# KiCad board Jumperless2.kicad_pcb (continued)
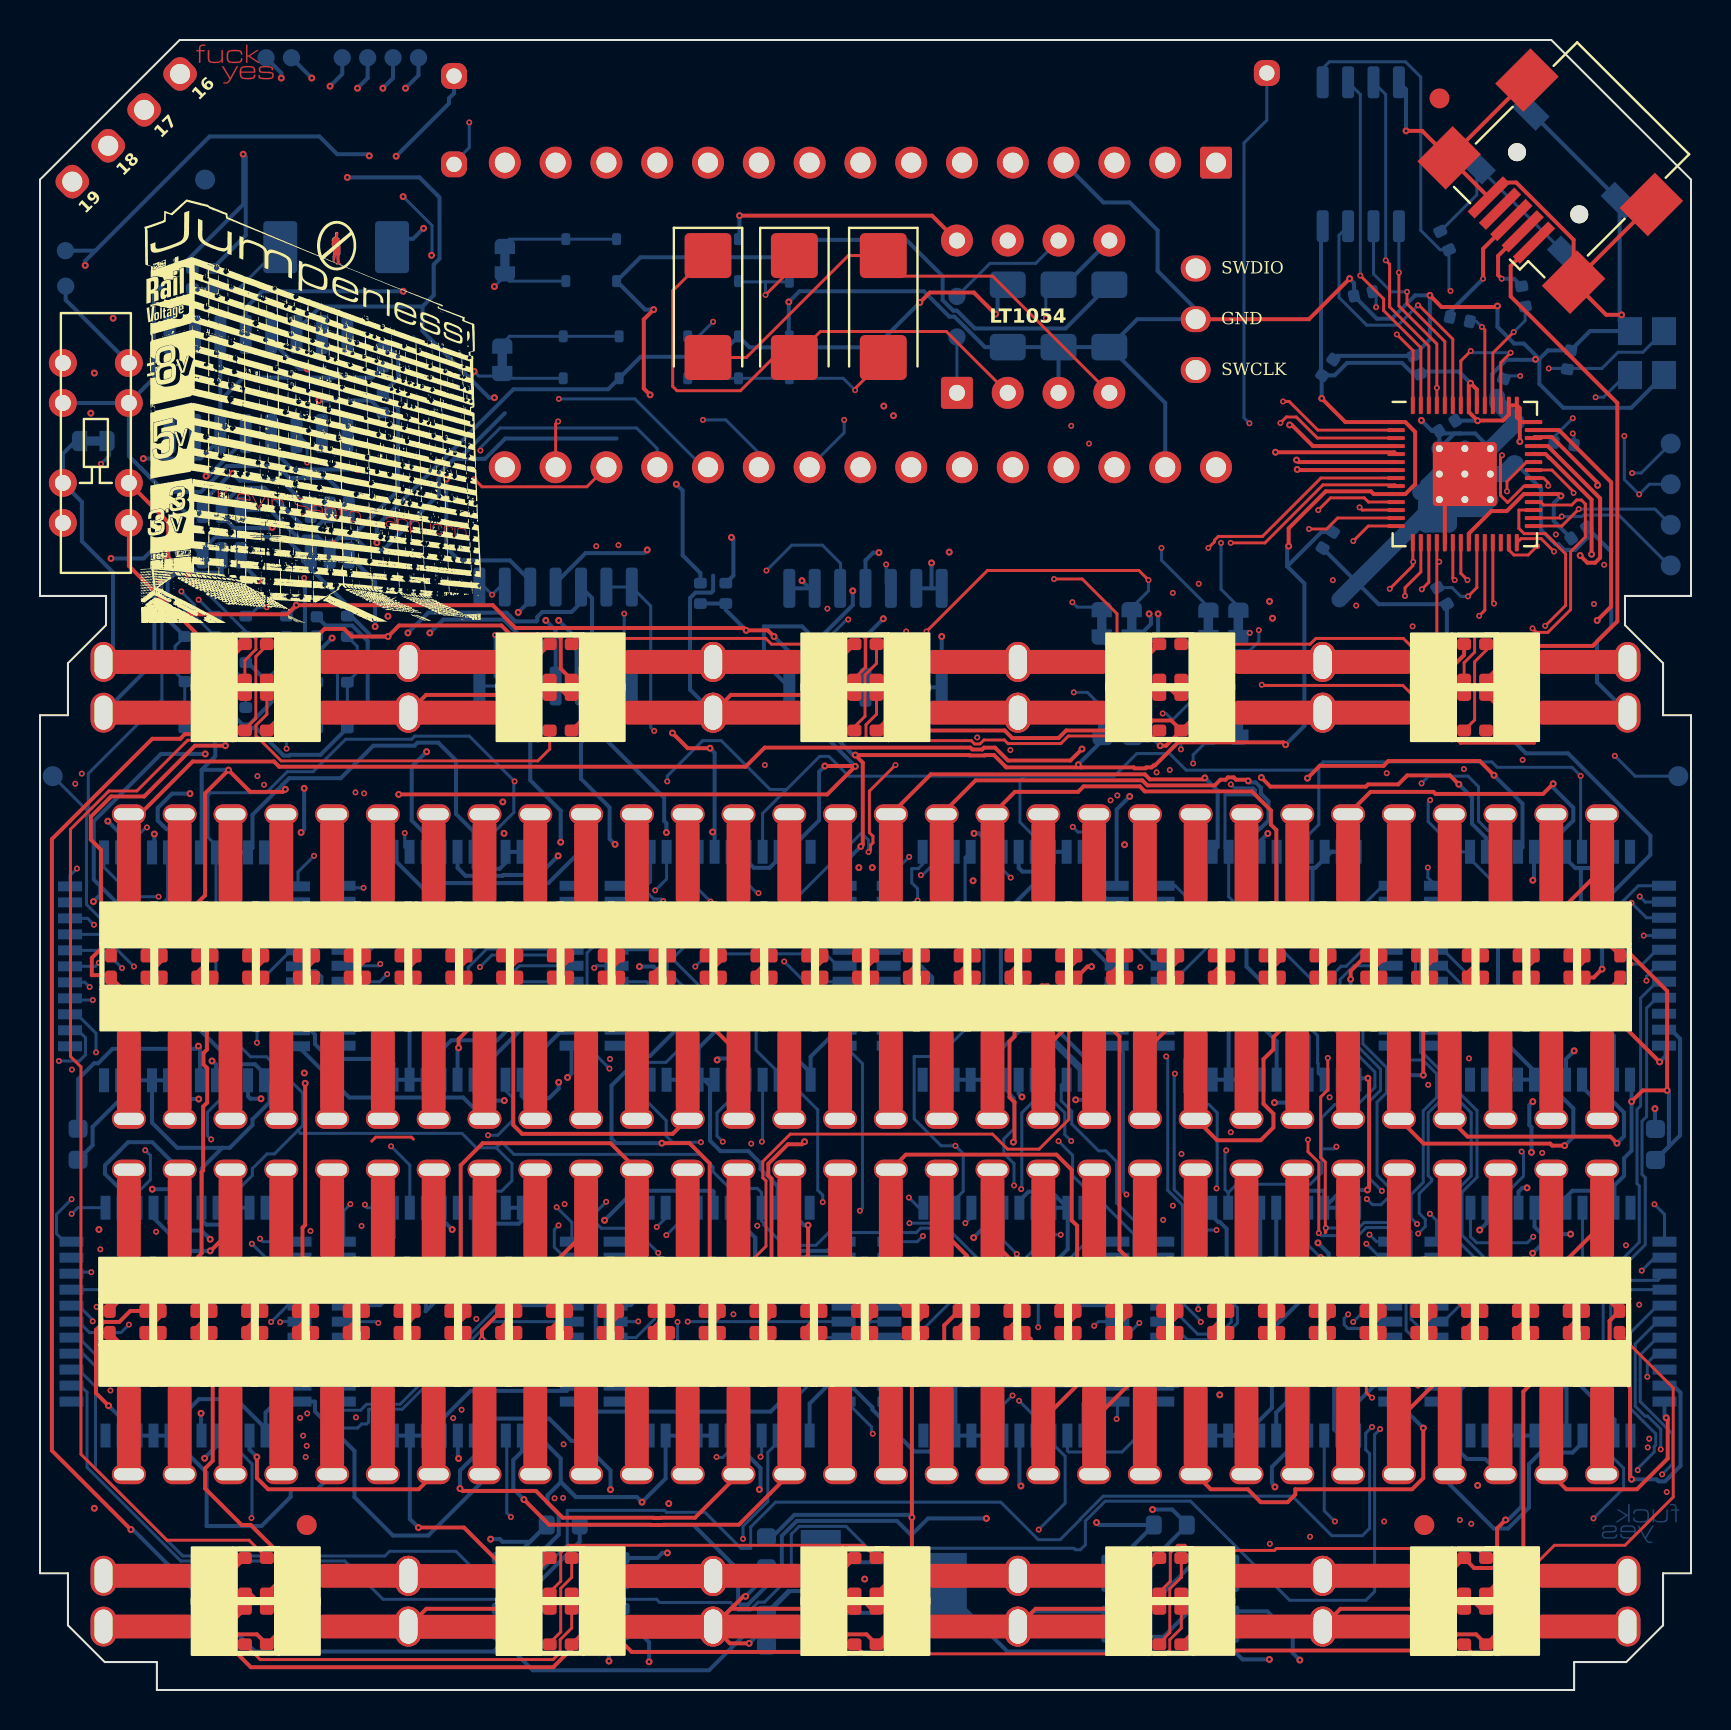
[diagram p0: board, top side]
## Routing (per net, layer and track width the routed paths; a pad name or vN(x,y) marks a point on that pad's centre or on a via; arc(x,y) is an arc through that point) (continued)
  Top w0.2: J4.29 75.56,32.54 77.05,34.03 77.16,34.03 77.29,33.9 78.5,33.9 v2(80.98,31.42)
  In2.Cu w0.2: J4.29 J4.29
  Bottom w0.2: v2(80.98,31.42) 81.28,31.72 81.28,32.16
30: length 49.2
  Top w0.2: v2(51.58,38.14) 52.25,38.81 57.65,38.81 57.89,38.58 58.09,38.58 58.24,38.74 60.38,38.74 60.8,38.31 62.53,38.31 63.06,38.84 65.21,38.84 65.42,38.63 75.66,38.63 78.11,41.07 J4.30
  In2.Cu w0.2: J4.30 78.54,43.38 78.54,38.44 78.76,38.22 78.76,30.24 78.48,29.96 78.48,28.95
  Bottom w0.2: 53.49,36.23 51.58,38.14 v2(51.58,38.14)
32: length 79.9
  In1.Cu w0.2: v2(51.78,29.53) 50.92,30.4 35.75,30.4 34.16,31.98 33.71,31.98 32.47,30.75 29.29,30.75 29.21,30.67 27.61,30.67 26.86,31.42 26.06,31.42 26.03,31.39 9.77,31.39 8.53,32.64 7.74,32.64 5.88,30.78 5.88,28.26 4.45,26.82 J4.33
  In2.Cu w0.2: J4.33 4.45,25.62 5.32,24.74 5.32,11.67 J4.33
  Bottom w0.2: v2(51.78,29.53) 52.48,29.53 52.64,29.69 52.64,31.24 50.63,33.26 50.63,33.99 50.93,34.29 52.34,34.29 53.48,35.43
33: length 22.5
  In2.Cu w0.2: J4.34 J4.34
  Bottom w0.2: E1.35 4.08,24.99 3.25,25.82 3.25,26.25 4.41,27.41 5.61,27.41 J4.34
34: length 23.8
  Top w0.2: J4.35 9.52,22.97 8.53,21.97 v2(8.51,21.97)
  In2.Cu w0.2: J4.35 J4.35
  Bottom w0.2: E1.37 5.68,23.62 7.33,21.97 v2(8.51,21.97)
35: length 27
  In1.Cu w0.2: J4.36 11.31,25.28 5.84,25.28 v2(5.61,25.05)
  In2.Cu w0.2: J4.36 13.06,10.79 14.47,12.21 14.47,14.2 14.18,14.48 14.18,20.05 12.06,22.17 J4.36
  Bottom w0.2: E1.39 7.28,24.66 6.89,25.05 v2(5.61,25.05)
36: length 28.1
  In2.Cu w0.2: 14.53,25.96 14.53,21.05 15.01,20.57 15.01,11.2 J4.37
  Bottom w0.2: J4.37 13.86,10.04 12.53,10.04 12.53,9.66 11.07,8.2 8.33,8.2 8.33,10.88 7.28,11.93 E1.17
37: length 27.8
  In2.Cu w0.2: v2(8.23,11.59) 8.23,10.18 9.02,9.4 15.75,9.4 J4.38 17.62,11.27 17.62,18.12 17.6,18.14 17.6,20.19 17.64,20.23 17.64,25.54 J4.38
  Bottom w0.2: 8.88,12.26 8.26,11.64 8.26,11.63 v2(8.23,11.59)
38: length 26.5
  Top w0.2: v2(10.85,11.66) 10.85,10.6 11.4,10.04 18.94,10.04 J4.39
  In2.Cu w0.2: 19.86,10.97 19.86,25.86
  Bottom w0.2: v2(10.85,11.66) 10.48,12.03 E1.13
39: length 30.7
  In2.Cu w0.2: J4.40 22.23,16.59 23.03,17.4 23.03,20.1 22.79,20.34 22.79,22.3 22.23,22.86 J4.40
  Bottom w0.2: 22.23,10.54 19.41,7.73 17.65,7.73 15.72,9.65 15.72,11.96 13.75,13.94 13.75,14.43 E1.11
40: length 33.5
  Top w0.2: v2(16.99,20.9) 17.77,20.9 17.91,21.04 17.97,21.04 18.44,21.51 18.92,21.51 19.35,21.09 19.45,21.09 19.67,20.87 19.67,20.76 19.81,20.63 19.97,20.63 20.12,20.48 20.55,20.48 21.37,21.3 21.6,21.3 21.63,21.34 22.65,21.34 22.69,21.3 23.4,21.3 23.43,21.34 23.97,21.34 24,21.3 24.33,21.3 24.77,21.74 J4.41
  In2.Cu w0.2: J4.41 24.34,25.61 24.34,17.41 23.37,16.44 23.37,12.19 J4.41
  Bottom w0.2: v2(16.99,20.9) 16.79,21.11 16.79,21.74 17.69,22.64 F5.35
41: length 31.3
  Top w0.2: v2(19.3,20.71) 19.73,20.28 19.82,20.28 19.92,20.18 20.74,20.18 21.51,20.95 21.67,20.95 21.75,21.04 22.04,21.04 22.12,20.95 22.16,20.95 22.24,21.04 22.53,21.04 22.61,20.95 23.47,20.95 23.55,21.04 23.84,21.04 23.93,20.95 25.31,20.95 27.3,22.95 J4.42
  In2.Cu w0.2: J4.42 J4.42
  Bottom w0.2: F5.37 19.29,20.72 v2(19.3,20.71)
42: length 35
  Top w0.2: J4.43 28.52,27.36 22.14,27.36 21.03,26.25 21.03,21.57 v2(20.34,20.88)
  In2.Cu w0.2: J4.43 29.84,14.2 31.14,15.49 31.14,16.31 30.9,16.55 30.9,16.63 30.68,16.85 30.6,16.85 29.47,17.97 29.47,25.66
  Bottom w0.2: 21.03,23.99 21.03,21.57 v2(20.34,20.88)
43: length 32.5
  In2.Cu w0.2: J4.44 32.99,25.43 32.99,11.4 J4.44 32.39,9.65 31.55,8.82 26.55,8.82 26.37,9 26.2,9 26.14,9.06 21.39,9.06 20.57,9.88 20.57,10.27 20.93,10.63 v2(20.93,11.58)
  Bottom w0.2: F5.17 20.89,11.62 v2(20.93,11.58)
44: length 34.2
  Top w0.2: v2(21,10.08) 21.12,9.96 24.8,9.96 26.14,8.62 30.67,8.62 30.69,8.61 31.04,8.61 31.05,8.62 32.75,8.62 J4.45
  In2.Cu w0.2: J4.45 34.92,19.04 35.02,18.94 35.02,10.89
  Bottom w0.2: F5.15 22.49,11.93 22.44,11.88 21.9,11.88 21,10.98 v2(21,10.08)
45: length 33.6
  Top w0.2: v2(24.2,9.53) 25.46,8.27 30.53,8.27 30.54,8.26 31.18,8.26 31.19,8.27 34.94,8.27 J4.46
  In2.Cu w0.2: 37.5,26 37.5,10.83
  Bottom w0.2: F5.13 24.09,11.93 23.66,11.5 23.66,10.06 v2(24.2,9.53)
46: length 34.2
  Top w0.2: J4.47 40,14.78 v2(38.69,16.09)
  In2.Cu w0.2: 40.03,10.82 40.03,26.01
  Bottom w0.2: v2(38.69,16.09) 36.53,13.93 27.09,13.93 F5.11
47: length 40.6
  Top w0.2: J4.48 43.3,26.78 50.83,26.78 51.59,26.02 51.59,23.49 51.86,23.23 51.86,21.6 52.17,21.29 54.22,21.29 54.8,20.7 59.26,20.7 v2(59.33,20.78)
  In2.Cu w0.2: J4.48 42.55,19.09 42.53,19.11 42.53,20.39 42.55,20.41 J4.48
  Bottom w0.2: 58.61,23.72 58.92,23.41 58.99,23.41 59.33,23.07 v2(59.33,20.78)
48: length 41.5
  Top w0.2: J4.49 45.09,22.99 46.34,21.73 46.25,21.64 v2(46.25,21.51)
  In1.Cu w0.2: v2(46.25,21.51) 46.28,21.54 48.55,21.54 48.85,21.23 51.08,21.23 52.26,20.05 60.06,20.05 v2(60.5,20.49)
  In2.Cu w0.2: J4.49 45.09,21.57 43.79,20.27 42.88,20.27 42.88,19.25 43.13,19 43.13,12.75 J4.49
  Bottom w0.2: G1.37 60.21,20.78 v2(60.5,20.49)
49: length 38.7
  Top w0.2: J4.50 47.62,22.45 48.69,21.38 51.43,21.38 52.46,20.35 59.52,20.35 60.09,20.92 61.36,20.92 61.9,20.38 61.98,20.38 v2(62.05,20.3)
  In2.Cu w0.2: J4.50 J4.50
  Bottom w0.2: G1.39 61.81,21.14 61.65,20.98 61.65,20.63 61.9,20.38 61.98,20.38 v2(62.05,20.3)
50: length 35.5
  Top w0.2: J4.51 50.17,13.55 53.13,16.51 58.12,16.51 58.47,16.16 58.78,16.16 59,16.38 59,16.41 59.24,16.65 60.14,16.65 60.25,16.55 62.04,16.55 v2(62.33,16.26)
  In2.Cu w0.2: 50.26,10.89 50.26,25.94
  Bottom w0.2: v2(62.33,16.26) 62.33,14.4 61.81,13.88 G1.17
51: length 33.3
  Top w0.2: v2(63.57,15.83) 62.16,15.83 61.95,16.03 60.27,16.03 59.95,16.35 59.43,16.35 58.94,15.86 58.34,15.86 58.22,15.99 56.64,15.99 56.1,15.44 54.61,15.44 52.7,13.54 J4.52
  In2.Cu w0.2: 52.98,25.76 52.98,18.88 52.67,18.57 52.56,18.57 52.36,18.36 52.36,18.07 52.43,18 52.43,11.07
  Bottom w0.2: v2(63.57,15.83) 63.41,15.68 G1.15
52: length 36.8
  Top w0.2: 55.25,14.12 J4.53
  In1.Cu w0.2: v2(58.99,14.77) 59,14.76 63.55,14.76 64.3,15.5 v2(64.7,15.5)
  In2.Cu w0.2: 55.47,25.81 55.47,17.35 54.23,16.1 54.23,11.81 J4.53 56,10.04 58.51,10.04 59.08,10.62 59.08,14.67 v2(58.99,14.77)
  Bottom w0.2: v2(64.7,15.5) 64.7,13.04 G1.13
53: length 33.1
  Top w0.2: v2(69.16,13.11) 69.16,10.6 68.61,10.04 62.76,10.04 62.76,9.78 62.38,9.4 61.04,9.4 60.39,10.04 58.53,10.04 J4.54
  In2.Cu w0.2: 58.04,25.78 57.56,25.3 57.56,16.78 58.79,15.56 57.78,14.55 J4.54
  Bottom w0.2: v2(69.16,13.11) 67.84,14.43
54: length 30.6
  In1.Cu w0.2: J4.55 61.87,24.49 65.3,24.49 65.76,24.04 67.29,24.04 67.33,24 67.62,24 68.33,24.71 70.28,24.71 v2(71.98,23.01)
  In2.Cu w0.2: J4.55 60.33,19.8 60.6,20.07 60.68,20.07 60.93,20.32 60.93,20.4 60.95,20.42 60.95,25.41 J4.55
  Bottom w0.2: H1.35 72.32,23.35 v2(71.98,23.01)
55: length 28.4
  In1.Cu w0.2: 63.53,26.03 64.28,26.78 71.49,26.78 71.92,26.35 71.92,25.66 72.46,25.12 v2(74.35,25.12)
  In2.Cu w0.2: 62.78,10.88 62.78,19.12 62.5,19.4 62.5,20.62 62.5,20.63 62.5,20.98 62.5,20.98 62.5,25.67
  Bottom w0.2: H1.37 73.92,24.93 74.12,25.12 v2(74.35,25.12)
56: length 30.8
  In1.Cu w0.2: v2(76.53,22.81) 76.12,22.81 74.3,24.63 72.46,24.63 71.83,25.27 67.32,25.27 67.22,25.37 66.55,25.37 66.53,25.39 66.22,25.39 66.19,25.37 66.16,25.37 66.16,25.37 66.07,25.37 J4.57
  In2.Cu w0.2: J4.57 64.69,25.32 64.69,24.19 64.71,24.16 64.71,20.95 64.32,20.55 64.32,17.61 64.31,17.6 64.31,17.55 64.14,17.38 64.14,16.38 64.32,16.2 64.32,11.88 J4.57
  Bottom w0.2: v2(76.53,22.81) 76.05,22.81 75.52,23.33 H1.39
57: length 31.5
  Top w0.2: J4.58 67.95,13.54 70.5,16.09 74.56,16.09 74.75,15.9 ; 74.75,15.9 74.88,16.03 ; 74.75,15.9 74.78,15.87 v2(74.93,15.87)
  In2.Cu w0.2: J4.58 69.95,24.03 69.95,21 70.15,20.8 70.15,13 J4.58
  Bottom w0.2: H1.17 75.52,15.27 v2(74.93,15.87)
58: length 27.4
  In2.Cu w0.2: J4.59 71.28,11.59 71.28,14.28 71.75,14.76 71.75,20.43 71.25,20.93 71.25,21.04 70.9,21.39 70.9,24.63 70.48,25.05 J4.59
  Bottom w0.2: J4.59 70.48,10.29 72.69,8.08 73.4,8.08 74.45,9.13 74.45,11.3 75.02,11.88 76.62,11.88 77.12,12.38
59: length 32.2
  In2.Cu w0.2: J4.60 73.03,21.67 73.88,20.81 73.88,15.37 73.81,15.29 73.81,12.58 73.03,11.8 J4.60
  Bottom w0.2: J4.60 72.26,11.56 71.35,11.56 71.02,11.88 71.02,15.02 72.92,16.91 75.35,16.91 78.72,13.53 H1.13
60: length 26.3
  Top w0.2: J4.61 76.31,10.04 79.85,10.04 81.39,11.58 81.39,13.55 v2(81.31,13.62)
  In2.Cu w0.2: J4.61 75.56,21.52 74.81,22.28 74.34,22.28 74.26,22.36 74.26,23.06 75.56,24.36 J4.61
  Bottom w0.2: v2(81.31,13.62) 81.22,13.71 H1.11
61: length 57.9
  Top w0.2: v2(52.75,33.9) 52.77,33.9 53.97,32.69 53.97,22.02 54.73,21.27 69.01,21.27 69.63,20.65 71.81,20.65 72.34,21.18 74.98,21.18 75.49,20.68 78.11,23.29 J4.62
  In2.Cu w0.2: J4.62 78.11,15.95 77.76,16.3 77.76,19.61 78.11,19.96 J4.62
  Bottom w0.2: 53.48,34.63 v2(52.75,33.9)
/AB0: length 17.4
  In1.Cu w0.15: v1(16.33,38.2) 14.96,36.83 4.81,36.83 v1(4.1,36.12)
  Bottom w0.15: B1.31 15.9,38.63 v1(16.33,38.2) ; A2.29 3.22,37.01 v1(4.1,36.12)
/AB1: length 15.1
  In1.Cu w0.15: v1(14.12,38.11) 13.91,37.9 3.63,37.9 2.84,37.11 2.84,36.48 v1(2.94,36.38)
  Bottom w0.15: B1.30 14.4,37.83 v1(14.12,38.11) ; v1(2.94,36.38) 2.77,36.21 A2.28
/AC0: length 77.3
  In1.Cu w0.15: v1(2.09,45.85) 2.71,46.47 15.92,46.47 16.04,46.59 22.99,46.59 23.18,46.78 33.34,46.78 34.27,45.86 55.32,45.86 55.69,46.23 55.96,46.23 55.99,46.2 56.32,46.2 v1(56.49,46.03)
  In2.Cu w0.15: v1(2.09,45.85) 2.09,44.66 1.77,44.35 1.77,41.48 1.52,41.23 1.52,36.13 v1(2.48,35.17) ; v1(56.49,46.03) 56.62,45.9 56.62,39.28 v1(57.49,38.41)
  Bottom w0.15: v1(57.49,38.41) 57.26,38.64 C26.31 ; v1(2.48,35.17) 2.25,35.41 A2.27
/AC1: length 77.5
  In1.Cu w0.15: v1(55.83,45.91) 55.53,45.61 34.16,45.61 33.24,46.53 23.28,46.53 23.09,46.34 16.15,46.34 16.01,46.2 10.64,46.2 9.76,45.32 1.78,45.32 v1(1.76,45.34)
  In2.Cu w0.15: v1(1.76,45.34) 0.98,44.56 0.98,40.94 1.14,40.79 1.14,36.02 v1(2.64,34.52) ; v1(55.83,45.91) 56.32,45.42 56.32,39.02 v1(57.23,38.11)
  Bottom w0.15: C26.30 56.95,37.84 v1(57.23,38.11) ; v1(2.64,34.52) 1.59,34.52
/AD0: length 80.1
  In1.Cu w0.15: v1(10.87,45.72) 11.1,45.95 16.11,45.95 16.25,46.09 23.2,46.09 23.39,46.28 31.7,46.28 32.63,45.36 57.47,45.36 58.83,46.72 70.55,46.72 v1(71.2,46.08)
  In2.Cu w0.15: v1(10.57,38.66) 10.6,38.69 10.6,45.52 10.74,45.67 10.82,45.67 v1(10.87,45.72) ; v1(70.88,39.05) 71.68,39.84 71.68,45.59 v1(71.2,46.08)
  Bottom w0.15: 12.55,38.61 12.15,39.01 10.91,39.01 v1(10.57,38.66) ; D70.31 70.47,38.64 v1(70.88,39.05)
/AD1: length 75.7
  In1.Cu w0.15: v1(67.33,45.87) 66.2,44.73 56.62,44.73 56.24,45.11 32.52,45.11 31.6,46.03 23.49,46.03 23.3,45.84 16.36,45.84 16.22,45.7 11.62,45.7 v1(11.2,45.29)
  In2.Cu w0.15: v1(67.33,45.87) 67.33,45.82 69.02,44.14 69.02,41.7 68.63,41.31 v1(68.63,39.12) ; v1(11.15,38.48) 10.99,38.64 10.99,45.08 v1(11.2,45.29)
  Bottom w0.15: v1(11.15,38.48) 11.83,37.81 A2.4 ; 69.45,37.84 68.63,38.66 v1(68.63,39.12)
/AE0: length 25.7
  In1.Cu w0.15: v1(1.59,31.04) 1.59,31.2 4.48,34.09 9.22,34.09 v1(9.54,33.77)
  In2.Cu w0.15: v1(1.59,31.04) 1.26,30.7 1.26,23.69 1.29,23.65 1.29,22.18 v1(2.57,20.9)
  Bottom w0.15: v1(9.54,33.77) 9.54,33.99 12.55,37.01 ; v1(2.57,20.9) 1.65,20.9
/AF0: length 17.4
  In2.Cu w0.15: v1(11.43,34.06) 12.09,33.4 12.09,30.66 13.14,29.61 13.14,25.73 12.93,25.52 12.93,22.09 v1(14.16,20.86)
  Bottom w0.15: F5.31 14.19,20.83 v1(14.16,20.86) ; v1(11.43,34.06) 11.43,34.28 12.55,35.41
/AF1: length 21.5
  In1.Cu w0.15: v1(16.01,20.39) 15.94,20.31 11.26,20.31 v1(11.05,20.52)
  In2.Cu w0.15: v1(10.85,32.38) 10.85,30.38 11.45,29.78 11.45,29.35 10.85,28.75 10.85,25.48 10.15,24.78 10.15,21.78 10.77,21.16 10.77,20.8 v1(11.05,20.52)
  Bottom w0.15: 12.55,34.61 10.85,32.9 v1(10.85,32.38) ; 15.66,20.03 v1(16.01,20.39)
/AG0: length 72.9
  In1.Cu w0.15: v1(3.45,20.55) 4.74,20.55 5.37,19.92 38.23,19.92 38.95,20.64 41.82,20.64 43.63,18.83 48.17,18.83 48.53,19.19 57.78,19.19 v1(57.91,19.05)
  In2.Cu w0.15: v1(3.45,20.55) 2.29,21.72 2.29,24.33 2.06,24.55 2.06,31.16 v1(2.8,31.9)
  Bottom w0.15: 56.46,20.83 57.91,19.38 v1(57.91,19.05) ; v1(2.8,31.9) 2.8,32.86 1.85,33.81
/AG1: length 75
  In1.Cu w0.15: v1(2.83,19.17) 37.83,19.17 39.05,20.39 41.71,20.39 43.53,18.58 48.27,18.58 48.63,18.94 57.52,18.94 v1(58.04,18.41)
  In2.Cu w0.15: v1(2.83,19.17) 1.01,20.99 1.01,31.41 v1(0.95,31.47)
  Bottom w0.15: v1(0.95,31.47) 1.97,31.47 2.28,31.78 2.28,32.63 1.9,33.01 ; v1(58.04,18.41) 58.04,18.45 56.46,20.03
/AH0: length 78.9
  In1.Cu w0.15: v1(17.2,21.33) 17.4,21.53 18.08,21.53 18.08,21.53 27.33,21.53 27.46,21.66 27.93,21.66 28.06,21.53 31.39,21.53 32.32,22.46 33.27,22.46 33.46,22.65 40.6,22.65 40.61,22.64 42.64,22.64 42.94,22.34 44.46,22.34 44.58,22.22 48.23,22.22 48.46,22.45 53.33,22.45 53.63,22.75 55.11,22.75 56.12,21.73 57.3,21.73 57.35,21.78 63.2,21.78 63.93,21.05 68.45,21.05 68.72,20.78 v1(68.94,20.78)
  In2.Cu w0.15: v1(17.2,21.33) 14.86,23.67 14.86,24.51 15.68,25.33 15.68,38.68 13.7,40.66 v1(13.7,41.73)
  Bottom w0.15: v1(13.7,41.73) 12.9,40.93 A2.1 ; H1.31 68.99,20.83 v1(68.94,20.78)
/AH1: length 83.8
  In1.Cu w0.15: v1(68.92,20.23) 68.35,20.8 63.83,20.8 63.1,21.53 57.45,21.53 57.4,21.48 56.02,21.48 55.34,22.17 48.67,22.17 48.47,21.97 44.48,21.97 44.35,22.09 42.84,22.09 42.54,22.39 40.51,22.39 40.5,22.4 33.56,22.4 33.37,22.21 32.45,22.21 31.52,21.28 27.96,21.28 27.83,21.41 27.56,21.41 27.43,21.28 18.19,21.28 17.37,20.47 16.56,20.47 15.72,21.31 10.72,21.31 v1(10.41,21.01)
  In2.Cu w0.15: v1(9.88,38.6) 9.92,38.55 9.92,30.26 10.22,29.97 10.22,29.89 10.6,29.51 10.6,25.73 9.85,24.98 9.85,21.57 v1(10.41,21.01)
  Bottom w0.15: H1.30 69.12,20.03 v1(68.92,20.23) ; v1(9.88,38.6) 10.69,39.41 A2.2
/BC0: length 60.5
  In1.Cu w0.15: v1(15.77,44.91) 16.46,45.59 23.4,45.59 23.59,45.78 31.5,45.78 32.42,44.86 53.76,44.86 v1(53.87,44.75)
  In2.Cu w0.15: v1(53.87,44.75) 54.15,44.47 54.15,44.13 54.17,44.12 54.17,43.51 53.34,42.68 53.34,40.76 53.95,40.15 53.95,39.51 55.15,38.32 v1(55.15,38.18) ; v1(15.77,44.91) 15.77,41.17 15.35,40.74 15.35,39.7 17.36,37.68 v1(17.36,35.81)
  Bottom w0.15: 55.78,37.04 55.15,37.67 v1(55.15,38.18) ; B1.27 16.98,35.43 v1(17.36,35.81)
/BC1: length 61.4
  In1.Cu w0.15: v1(53.53,44.51) 23.77,44.51 23.09,45.19 16.54,45.19 v1(16.21,44.86)
  In2.Cu w0.15: v1(54.76,38.1) 53.09,39.77 53.09,42.79 53.87,43.57 53.87,44.16 v1(53.53,44.51) ; v1(16.87,34.38) 17.83,35.35 17.83,37.57 15.67,39.73 15.67,40.64 16.07,41.04 16.07,44.72 v1(16.21,44.86)
  Bottom w0.15: v1(54.76,38.1) 54.76,37.26 55.78,36.24 ; v1(16.87,34.38) 16.61,34.63 B1.26
/BD0: length 66.3
  In1.Cu w0.15: v1(21.26,33.93) 22.54,32.65 24.66,32.65 24.68,32.68 30.28,32.68 30.56,32.4 31.88,32.4 32.25,32.77 32.25,32.77 33.06,33.59 34.78,33.59 35.9,32.46 55.76,32.46 55.8,32.42 71.2,32.42 v1(72.55,33.77)
  Bottom w0.15: v1(21.26,33.93) 21.11,34.08 21.11,36.43 22.01,37.33 24.92,37.33 26.23,38.63 ; 70.15,37.04 72.55,34.64 v1(72.55,33.77)
/BD1: length 63.4
  In1.Cu w0.15: v1(21.79,34.04) 22.92,32.9 24.56,32.9 24.58,32.93 30.39,32.93 30.66,32.65 31.78,32.65 32,32.87 32,32.88 32.96,33.84 35,33.84 36.12,32.71 55.86,32.71 55.9,32.67 70.98,32.67 v1(72.16,33.84)
  Bottom w0.15: 70.15,36.24 72.16,34.23 v1(72.16,33.84) ; 26.23,37.83 25.46,37.07 22.33,37.07 21.41,36.15 21.41,34.42 v1(21.79,34.04)
/BE0: length 44.5
  In1.Cu w0.15: v1(20.42,17.17) 20.4,17.14 3.94,17.14 v1(2.63,18.45)
  In2.Cu w0.15: v1(20.42,17.17) 21.01,17.76 21.01,23.28 20.9,23.39 20.9,31.51 21.33,31.94 21.33,32.3 20.9,32.73 20.9,35.07 v1(22,36.17)
  Bottom w0.15: 1.93,19.23 2.63,18.52 v1(2.63,18.45) ; v1(22,36.17) 22.6,36.77 26.32,36.77 B1.5
/BE1: length 42.6
  In1.Cu w0.15: v1(4.45,18.28) 4.92,17.81 21.06,17.81 v1(21.82,18.57)
  In2.Cu w0.15: v1(22.07,34.33) 22.17,34.22 22.17,29.9 21.15,28.88 21.15,23.56 21.52,23.19 21.52,18.87 v1(21.82,18.57)
  Bottom w0.15: B1.6 23.97,36.23 v1(22.07,34.33) ; 1.93,18.43 2.48,17.88 4.05,17.88 v1(4.45,18.28)
/BF0: length 26.9
  In2.Cu w0.15: v1(18.88,34.38) 18.88,29.56 18.22,28.91 18.22,25.7 17.96,25.44 17.96,20.57 18.15,20.39 v1(18.18,20.39)
  Bottom w0.15: B1.7 23.72,35.43 21.66,33.38 19.88,33.38 v1(18.88,34.38) ; v1(18.18,20.39) 17.02,19.23 F5.29
/BG0: length 61.7
  In1.Cu w0.15: v1(56.31,31.7) 55.84,32.17 55.69,32.17 55.65,32.21 35.8,32.21 34.68,33.34 33.17,33.34 32.65,32.82 32.65,32.82 31.99,32.15 30.46,32.15 30.18,32.43 24.79,32.43 24.76,32.4 22.28,32.4 20.68,34.01 17.09,34.01 v1(16.97,33.88)
  Bottom w0.15: v1(56.31,31.7) 56.39,31.62 56.39,25 57.12,24.26 57.12,21.29 59.56,18.85 59.56,18.41 58.96,17.81 57.89,17.81 56.46,19.23 ; B1.25 16.92,33.83 v1(16.97,33.88)
/BG1: length 61.8
  In1.Cu w0.15: v1(17.98,33.4) 19.66,31.72 24.79,31.72 24.99,31.93 28.88,31.93 29.15,31.65 32.19,31.65 33.35,32.81 34.5,32.81 35.59,31.71 55.45,31.71 56.33,30.84 v1(56.74,30.84)
  Bottom w0.15: v1(56.74,30.84) 56.71,30.8 56.71,25.03 57.37,24.37 57.37,21.62 59.87,19.13 59.87,18.36 59.03,17.53 57.36,17.53 56.46,18.43 ; v1(17.98,33.4) 17.62,33.03 B1.24
/BH0: length 65.8
  In1.Cu w0.15: v1(28.47,31.09) 32.33,31.09 33.55,32.31 34.29,32.31 35.88,30.72 55.66,30.72 56.21,30.18 57.25,30.18 58.06,30.99 64.77,30.99 65,31.22 67.97,31.22 69.01,30.18 69.31,30.18 v1(69.41,30.28)
  In2.Cu w0.15: v1(71.26,20.25) 70.92,20.59 70.92,20.91 70.57,21.26 70.57,24.5 69.41,25.66 v1(69.41,30.28)
  Bottom w0.15: 26.93,40.23 28.05,39.11 28.05,37.58 27.35,36.88 27.35,33.56 27.4,33.51 27.4,32.16 v1(28.47,31.09) ; 70.24,19.23 v1(71.26,20.25)
/BH1: length 67.8
  In1.Cu w0.15: v1(71.45,31.6) 64.92,31.6 64.56,31.24 57.84,31.24 57.02,30.42 56.31,30.42 55.32,31.42 35.54,31.42 34.4,32.56 33.45,32.56 32.24,31.35 28.72,31.35 v1(28.5,31.57)
  In2.Cu w0.15: v1(27.66,38.01) 28.84,36.83 28.84,31.92 v1(28.5,31.57) ; v1(71.65,21.1) 71.22,21.52 71.22,24.57 71.56,24.91 71.56,31.49 v1(71.45,31.6)
  Bottom w0.15: 70.17,18.43 71.65,19.9 v1(71.65,21.1) ; 26.93,39.43 27.66,38.7 v1(27.66,38.01)
/CD0: length 3.8
  Bottom w0.15: 67.88,38.64 69.03,37.49 69.03,35.72 69.31,35.44
/CD1: length 3.8
  Bottom w0.15: 67.88,37.84 68.78,36.94 68.78,35.26 69.4,34.64
/CE0: length 93.9
  In1.Cu w0.15: v1(3.54,15.72) 4.41,14.85 16.3,14.85 16.3,14.85 20.61,14.85 20.69,14.94 21.41,14.94 21.7,14.65 29.88,14.65 30.04,14.49 34.61,14.49 34.87,14.24 34.97,14.24 35.1,14.11 40.7,14.11 41.36,14.77 44.1,14.77 44.1,14.77 47.89,14.77 48.24,15.12 53.84,15.12 54.89,14.08 63.89,14.08 64.32,14.51 65.53,14.51 v1(66.64,15.62)
  In2.Cu w0.15: v1(66.64,15.62) 67.16,16.13 67.16,20.22 65.71,21.66 65.71,22.94 67.12,24.34 67.12,24.94 v1(67.09,24.97)
  Bottom w0.15: 1.93,17.63 3.54,16.02 v1(3.54,15.72) ; 67.18,37.04 66.14,37.04 65.31,36.21 65.06,36.21 64.75,35.9 64.75,34.72 65.8,33.67 65.8,32.28 67.03,31.06 67.03,30 66.48,29.46 66.48,25.58 v1(67.09,24.97)
/CE1: length 92.7
  In1.Cu w0.15: v1(65.13,15.47) 65.13,15.43 64.85,15.15 64.61,15.15 63.79,14.33 54.99,14.33 53.95,15.37 48.14,15.37 47.79,15.02 44,15.02 44,15.02 41.25,15.02 40.59,14.36 35.2,14.36 35.08,14.49 34.97,14.49 34.72,14.74 30.15,14.74 29.99,14.9 21.81,14.9 21.51,15.19 20.59,15.19 20.5,15.1 16.4,15.1 15.27,16.23 3.15,16.23 v1(3.15,15.82)
  In2.Cu w0.15: v1(66.34,24.56) 65.04,23.26 65.04,20.61 64.66,20.23 64.66,16.32 65.13,15.85 v1(65.13,15.47)
  Bottom w0.15: E1.26 2.14,16.83 v1(3.15,15.82) ; v1(66.34,24.56) 66.62,24.28 67.06,24.28 67.43,24.65 67.43,25.18 66.85,25.75 66.85,29.41 67.32,29.88 67.32,31.14 66.15,32.32 66.15,33.68 65,34.83 65,35.55 65.69,36.24 67.18,36.24
/CF0: length 77
  In1.Cu w0.15: v1(68.55,16.31) 67.17,17.69 49.83,17.69 49.65,17.51 44.49,17.51 44.35,17.38 43.53,17.38 43.5,17.36 39.24,17.36 38.57,16.69 38.44,16.69 38.39,16.64 37.76,16.64 37.06,17.34 24.5,17.34 23.95,16.78 23.95,16.73 23.61,16.39 23.13,16.39 23.08,16.44 19.34,16.44 19,16.1 18.64,16.1 18.14,16.6 v1(16.43,16.6)
  In2.Cu w0.15: v1(68.91,22.83) 69.32,22.42 69.32,17.08 v1(68.55,16.31)
  Bottom w0.15: v1(68.91,22.83) 69.27,23.19 69.27,23.55 68.96,23.85 68.96,24.84 69.59,25.47 69.59,25.55 69.41,25.73 69.41,28.88 70.08,29.54 70.08,30.93 69.24,31.77 69.17,31.77 69.03,31.91 69.03,34.29 67.88,35.44 ; 15.62,17.63 16.43,16.81 v1(16.43,16.6)
/CF1: length 77.3
  In1.Cu w0.15: v1(16.81,16.28) 17.24,15.85 19.11,15.85 19.45,16.19 22.98,16.19 23.03,16.14 23.71,16.14 24.66,17.09 36.96,17.09 37.66,16.39 38.5,16.39 38.55,16.44 38.68,16.44 39.34,17.11 43.61,17.11 43.63,17.13 44.46,17.13 44.59,17.26 49.75,17.26 49.93,17.44 66.89,17.44 68.38,15.95 v1(68.78,15.95)
  In2.Cu w0.15: v1(68.85,23.32) 68.96,23.32 69.62,22.65 69.62,16.79 v1(68.78,15.95)
  Bottom w0.15: v1(68.85,23.32) 68.56,23.61 68.56,24.79 69.16,25.39 69.16,28.98 69.82,29.64 69.82,30.84 69.14,31.52 68.38,31.52 68.38,34.14 67.88,34.64 ; F5.26 15.94,16.83 16.11,16.66 16.11,16.47 16.3,16.28 v1(16.81,16.28)
/CG0: length 26
  In2.Cu w0.15: v1(58.83,25.1) 59.59,24.33 59.59,22.35 58.8,21.56 58.8,16.86 v1(59.67,15.99)
  Bottom w0.15: 56.46,17.63 58.1,15.99 v1(59.67,15.99) ; 56.48,33.84 56.88,34.24 57.81,34.24 57.99,34.06 57.99,32.28 57.25,31.55 57.25,29.92 57.87,29.3 58.44,29.3 58.86,28.88 58.86,25.13 v1(58.83,25.1)
/CH0: length 29.6
  Top w0.15: v1(64.39,31.62) 64.39,30.02 64.03,29.67 64.03,26.65 64.26,26.41 64.26,22.89 64.29,22.91 v1(64.29,23.11)
  In2.Cu w0.15: v1(64.39,31.62) 65.11,32.35 65.11,35.01 64.9,35.22 64.9,37.99 v1(64.83,38.07)
  Bottom w0.15: v1(64.83,38.07) 64.92,38.16 65.2,38.16 65.39,38.35 65.39,38.49 67.13,40.24 ; 69.47,17.63 68.56,18.55 68.56,20.88 68.55,22.94 68.11,23.39 66.21,23.39 65.94,23.11 v1(64.29,23.11)
/CH1: length 32.4
  Top w0.15: v1(63.94,22.86) 63.94,26.39 63.4,26.93 v1(63.4,27.53)
  In1.Cu w0.15: v1(63.4,27.53) 64.33,28.47 64.33,29.5 v1(64.48,29.65)
  In2.Cu w0.15: v1(64.48,29.65) 65.41,30.59 65.41,35.06 65.15,35.32 65.15,38.4 v1(65.07,38.49)
  Bottom w0.15: 67.18,39.44 65.49,37.74 64.69,37.74 64.5,37.93 64.5,38.2 64.78,38.49 v1(65.07,38.49) ; v1(63.94,22.86) 64.07,22.73 65.91,22.73 66.31,23.14 67.92,23.14 68.31,22.75 68.31,18 69.47,16.83
/DE0: length 99.1
  In1.Cu w0.15: v1(13.36,13.84) 13.92,13.28 24.22,13.28 24.34,13.4 29.37,13.4 29.52,13.24 34.1,13.24 34.35,12.99 34.46,12.99 34.58,12.86 41.21,12.86 41.57,13.22 49.36,13.22 50.05,13.91 53.99,13.91 54.57,13.33 64.2,13.33 64.63,13.76 76.16,13.76 76.52,13.76 76.56,13.76 v1(78.47,15.67)
  In2.Cu w0.15: v1(11.76,20.93) 13.26,19.43 13.26,13.94 v1(13.36,13.84) ; v1(78.47,15.67) 78.54,15.73 78.54,25.09 79.25,25.8 79.25,28.68 79.18,28.75 79.18,28.88 78.91,29.15 78.91,30 79.04,30.13 79.04,35.84 v1(79.51,36.32)
  Bottom w0.15: v1(11.76,20.93) 12.88,20.93 ; 80.85,37.04 80.14,36.32 v1(79.51,36.32)
/DE1: length 104.2
  In1.Cu w0.15: v1(80.39,12.14) 38.92,12.14 38.44,12.61 34.48,12.61 34.35,12.74 34.25,12.74 33.99,12.99 29.42,12.99 29.26,13.15 25.29,13.15 25.14,13 13.62,13 v1(13,13.61)
  In2.Cu w0.15: v1(11.28,20.9) 13,19.18 v1(13,13.61) ; v1(80.32,35.49) 80.29,35.46 80.29,21.92 79.65,21.29 79.65,20.9 80.37,20.19 80.37,16.74 78.97,15.34 78.97,13.55 v1(80.39,12.14)
  Bottom w0.15: E1.4 12.15,20.03 v1(11.28,20.9) ; v1(80.32,35.49) 80.32,35.71 80.85,36.24
/DF0: length 94.6
  In1.Cu w0.15: v1(78.16,16.43) 78.16,15.75 76.41,14.01 76.05,14.01 76.05,14.01 64.53,14.01 64.1,13.58 54.68,13.58 54.09,14.16 49.95,14.16 49.28,13.49 41.49,13.49 41.11,13.11 34.69,13.11 34.56,13.24 34.45,13.24 34.2,13.49 29.63,13.49 29.47,13.65 20.7,13.65 v1(20.66,13.6)
  In2.Cu w0.15: v1(21.9,20.69) 22.14,20.45 22.14,20.23 22.48,19.89 22.48,18.77 20.66,16.95 v1(20.66,13.6)
  Bottom w0.15: 80.85,35.44 80.03,34.61 80.03,29.22 79.85,29.05 79.85,25.33 79.96,25.22 79.96,22.4 78.16,20.6 v1(78.16,16.43) ; v1(21.9,20.69) 22.04,20.83 22.07,20.83 22.25,21.01 22.52,21.01 22.7,20.83 23.38,20.83 23.56,21.01 23.83,21.01 24.02,20.82 24.02,20.81 24.5,20.33 24.5,20.02 25.51,20.02 25.7,20.22 25.7,20.83 F5.3
/DF1: length 90.9
  In1.Cu w0.15: v1(77.59,15.9) 75.95,14.26 64.42,14.26 63.99,13.83 54.78,13.83 54.2,14.41 49.77,14.41 49.12,13.77 48.59,13.77 48.56,13.74 41.39,13.74 41.01,13.36 34.79,13.36 34.66,13.49 34.56,13.49 34.3,13.74 29.73,13.74 29.57,13.9 21.21,13.9 v1(21.08,14.02)
  In2.Cu w0.15: v1(21.08,14.02) 21.08,17.02 22.73,18.66 22.73,19.99 22.39,20.34 v1(22.39,20.69)
  Bottom w0.15: v1(22.39,20.69) 23.59,19.48 25.64,19.48 26.19,20.03 ; v1(77.59,15.9) 78.18,15.9 78.54,16.26 78.54,20.55 80.26,22.28 80.26,25.63 80.1,25.79 80.1,28.46 80.33,28.69 80.33,34.11 80.85,34.64
/DG0: length 23.5
  In1.Cu w0.15: v1(66.37,20.4) 67.18,19.58 71.63,19.58 72.8,20.75 v1(72.9,20.75)
  Bottom w0.15: v1(66.37,20.4) 66.8,20.83 G1.3 ; 70.15,33.84 70.83,33.16 70.83,30.01 71.85,28.98 71.85,25.66 71.1,24.91 71.1,22.76 72.9,20.96 v1(72.9,20.75)
/DG1: length 26.1
  In1.Cu w0.15: v1(73.36,20.73) 73.36,20.35 73.33,20.32 72.72,20.32 71.73,19.33 66.92,19.33 v1(65.84,20.42)
  Bottom w0.15: v1(65.84,20.42) 66.23,20.03 G1.4 ; v1(73.36,20.73) 73.33,20.7 73.33,20.32 72.56,20.32 72.01,20.87 72.01,21.35 70.85,22.51 70.85,25.01 71.56,25.72 71.56,28.88 70.58,29.86 70.58,32.61 70.15,33.04
/DH0: length 27.2
  In1.Cu w0.15: v1(79.04,20.47) 78.64,20.07 v1(77.65,20.07)
  In2.Cu w0.15: v1(78.14,38.45) 78.49,38.11 78.49,30.35 76.94,28.81 76.94,25.74 77.65,25.04 v1(77.65,20.07)
  Bottom w0.15: v1(79.04,20.47) 79.07,20.49 80.89,20.49 H1.3 ; v1(78.14,38.45) 79.92,40.24 D70.1
/EF0: length 18.4
  Bottom w0.15: F5.5 22.94,19.23 18.01,14.3 16.33,14.3 16.18,14.15 16.03,14 14.5,14 14.42,14.08 14.42,16.54 13.33,17.63
